# Altium PCB main.PcbDoc
Units mm, origin at the board's own origin, x right, y up, seen from the top; angles counter-clockwise.
Board outline 60.5 x 99 mm, 4 copper layers (Top Layer, Ground Layer, Power Layer, Bottom Layer), stack 1.591 mm thick; 49 components, 37 nets, 209 pads, 33 vias.
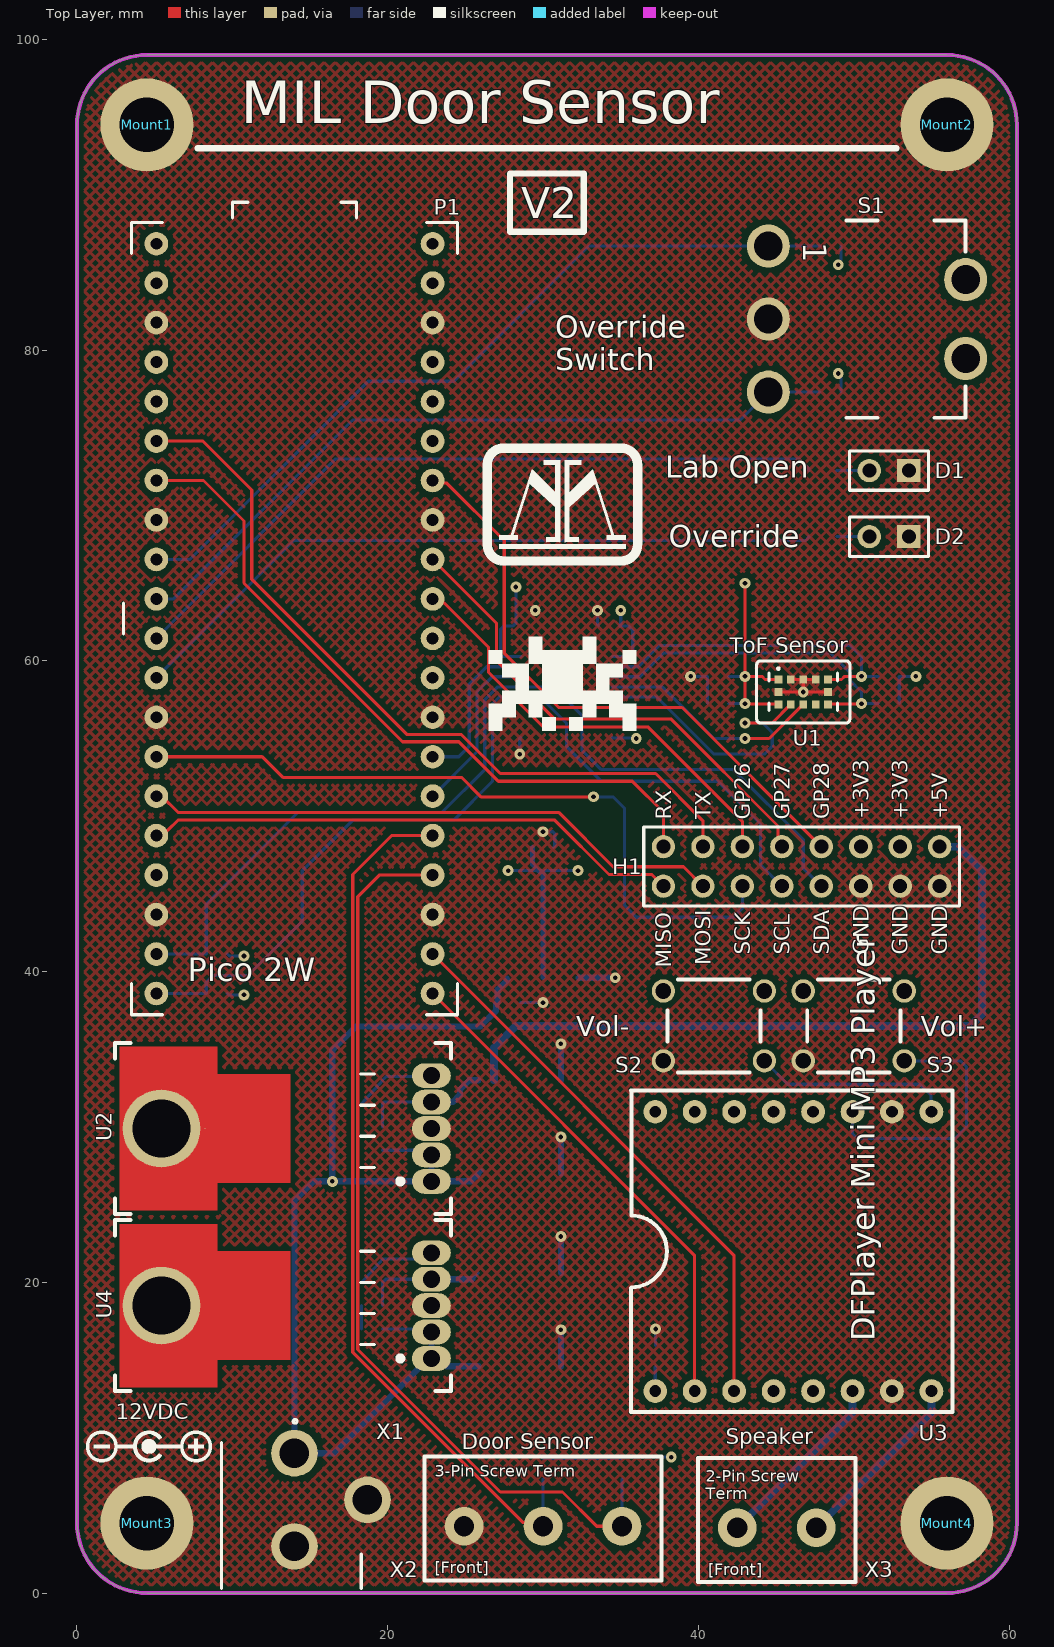
[diagram p0: Top Layer view]
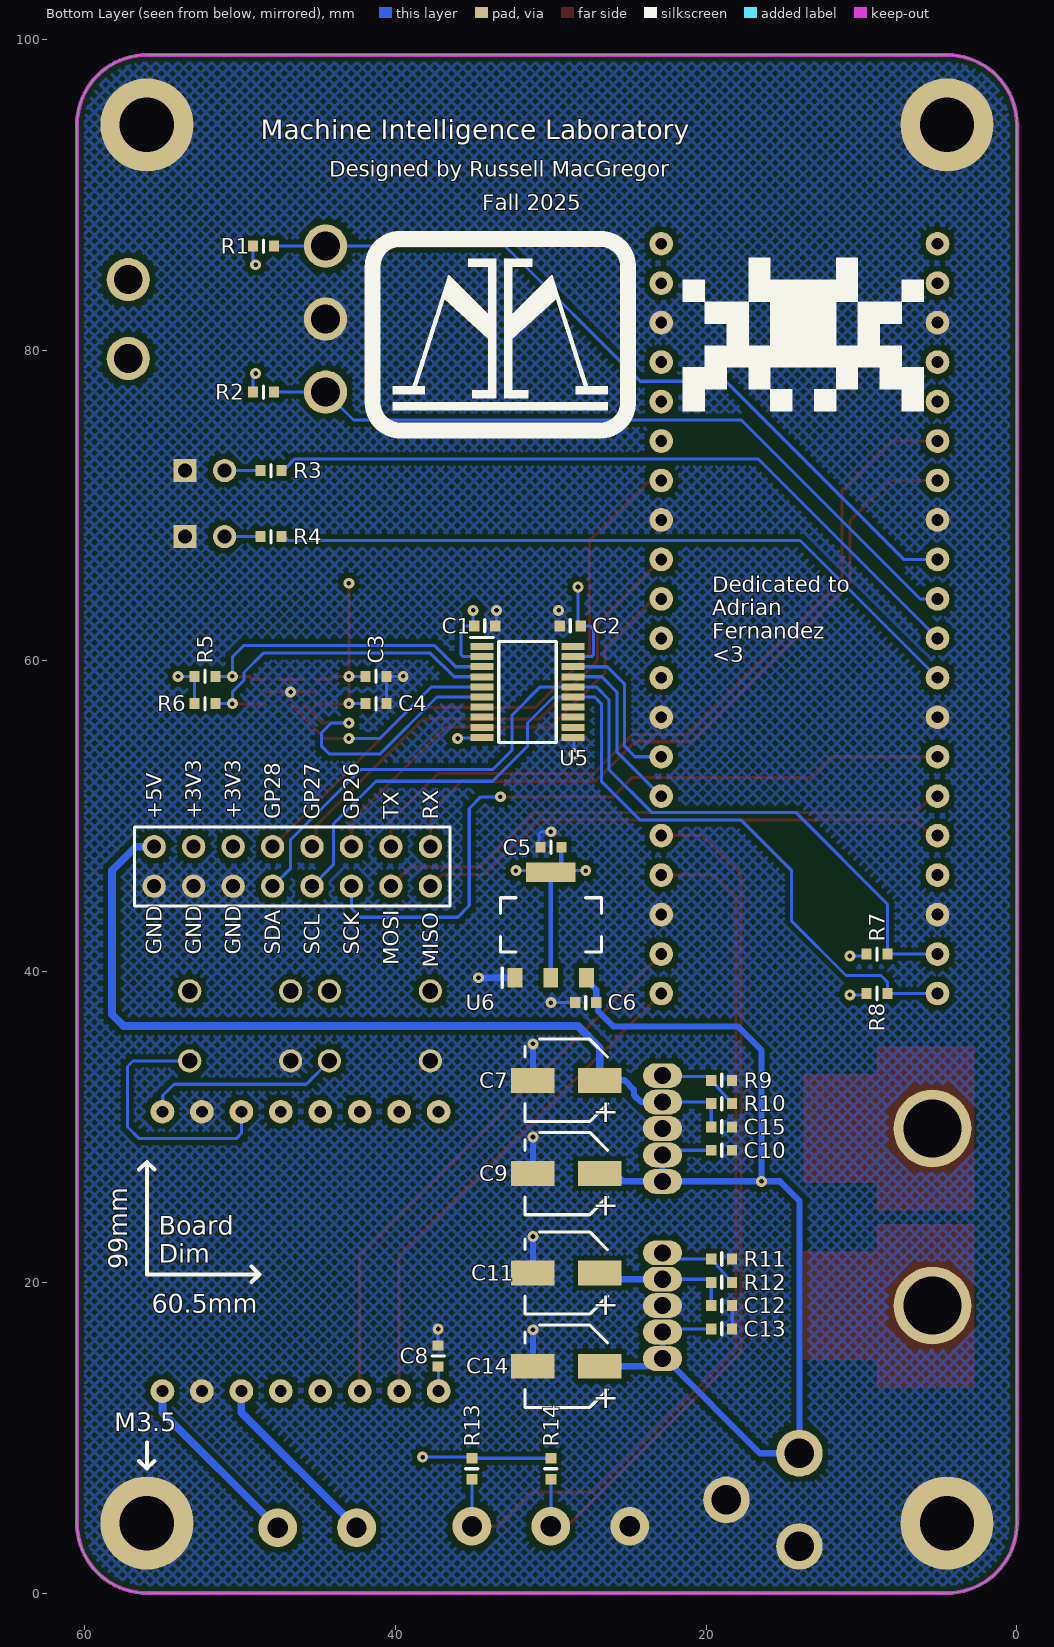
[diagram p1: Bottom Layer view, seen from below]
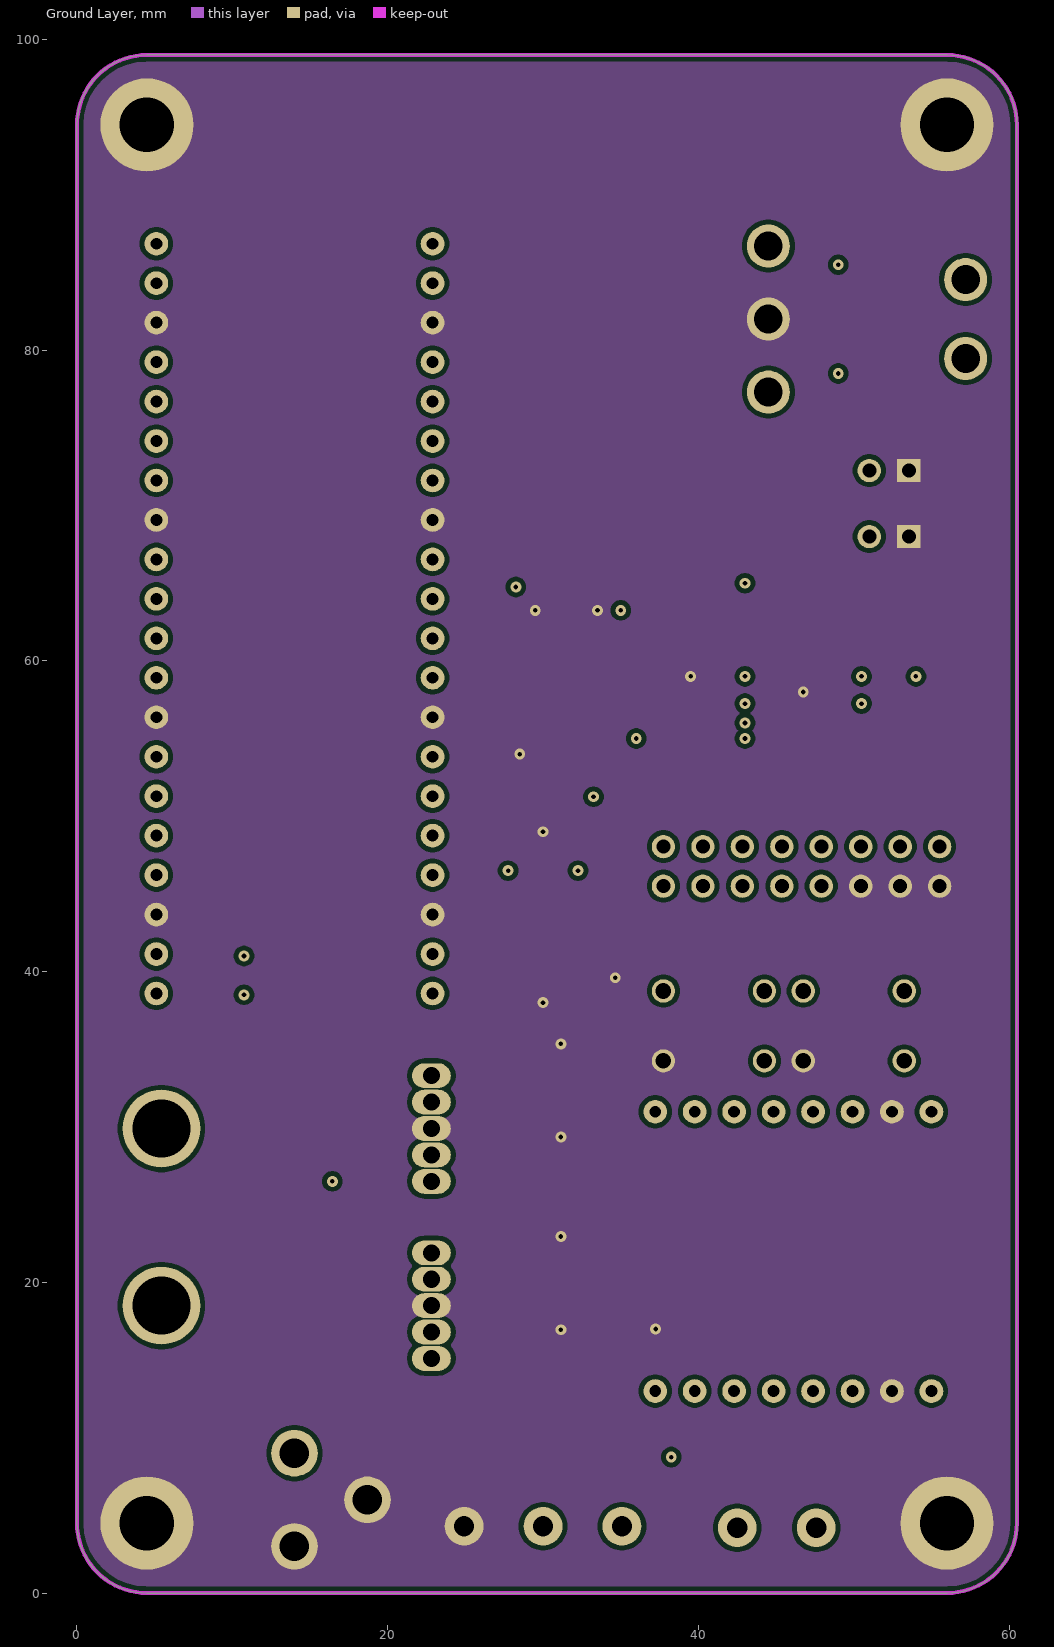
[diagram p2: Ground Layer]
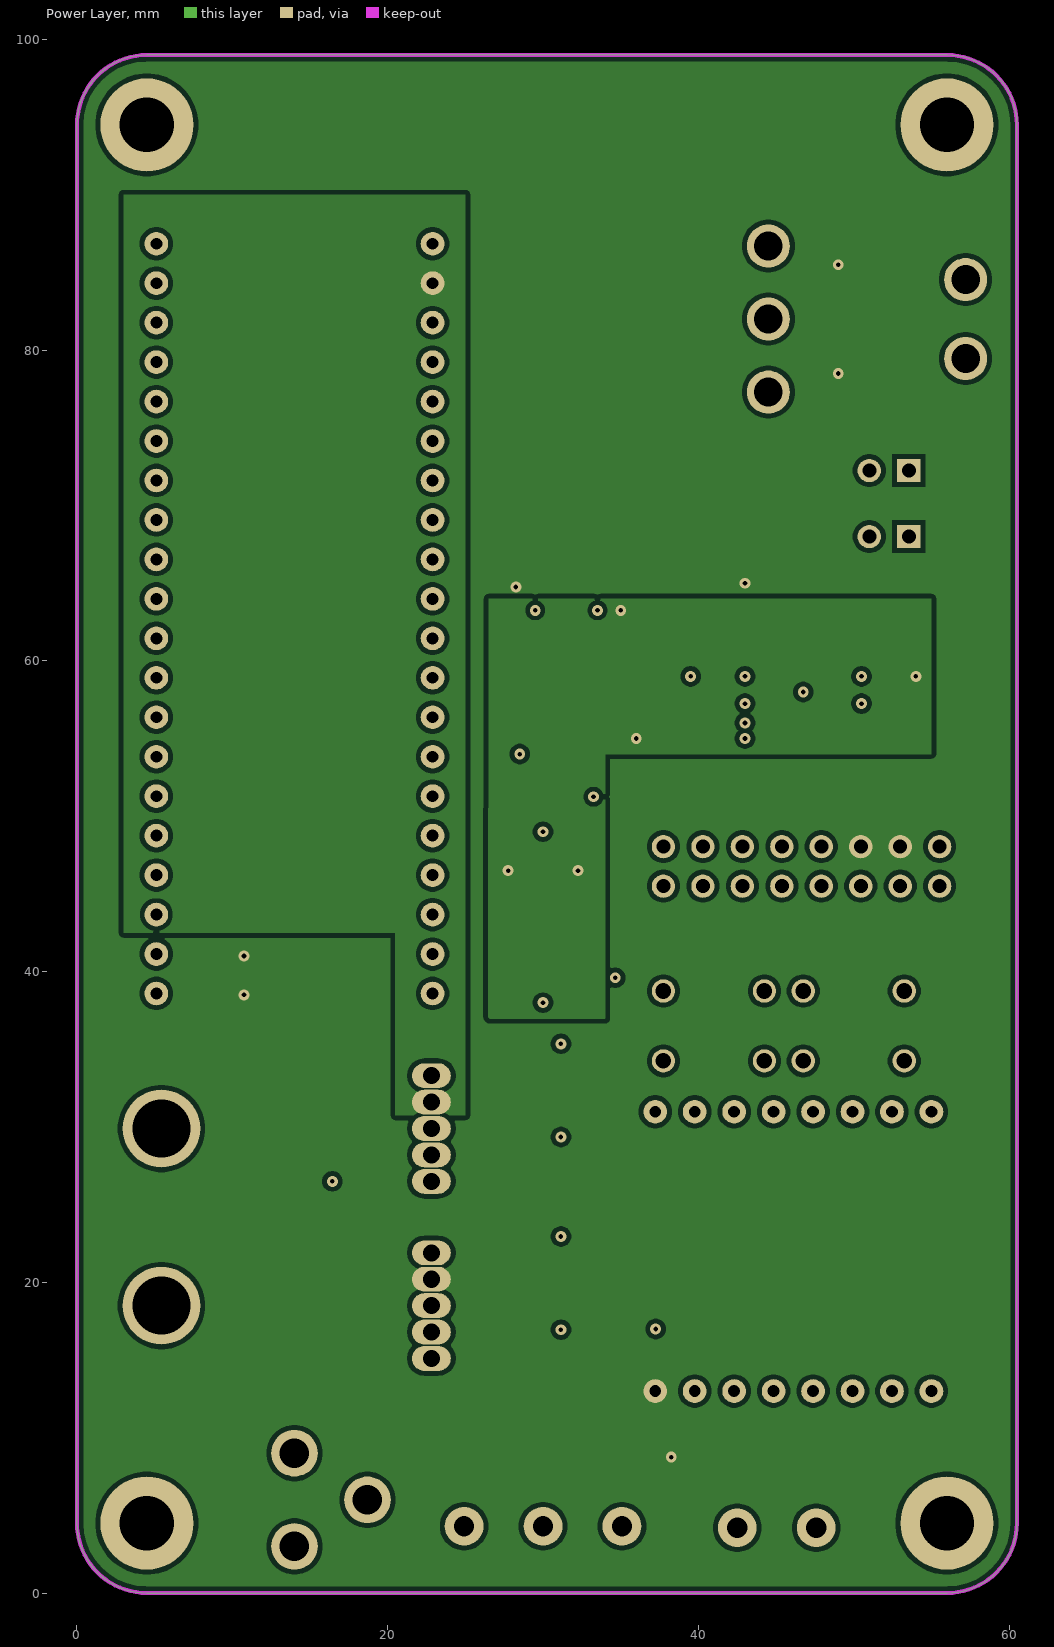
[diagram p3: Power Layer]

## Layer stack, top to bottom
Top Solder: solder mask 0.0102, Solder Resist, Dk 3.8
Top Layer: signal copper 0.035
Dielectric 2: prepreg 0.2104, 7628*1, Dk 4.4
Ground Layer: signal copper 0.0175
Dielectric 1: dielectric 1.065, FR-4, Dk 4.8
Power Layer: signal copper 0.0175
Dielectric 3: prepreg 0.2104, 7628*1, Dk 4.4
Bottom Layer: signal copper 0.035
Bottom Solder: solder mask 0.0102, Solder Resist, Dk 3.8

## Board outline
0,4.5 0,94.5 cw(c4.5,94.5) 4.5,99 56,99 cw(c56,94.5) 60.5,94.5 60.5,4.5 cw(c56,4.5) 56,0 4.5,0 cw(c4.5,4.5)

## Design rules (kind name [scope] priority, off if disabled: settings)
BoardOutlineClearance [All] p1: gap=0.2 ignorepadtopadclearanceinfootprint=FALSE
Clearance "inPolygon Clearance" [InPolygon] p1: gap=0.3 ignorepadtopadclearanceinfootprint=TRUE // this rule ensures that every net within a polygon of a different net has a set clearance from the poly
Clearance "Different Diff Pair" [All] p2: gap=0.2 ignorepadtopadclearanceinfootprint=TRUE
Clearance "Same Diff Pair" [All] p3: gap=0.1 ignorepadtopadclearanceinfootprint=TRUE
Clearance "Different Nets" [not InAnyDifferentialPair] p4: gap=0.3 ignorepadtopadclearanceinfootprint=TRUE except(0.1: Arc-SMDPad Arc-THPad Arc-Via Arc-Text Track-SMDPad Track-THPad Track-Via Track-Text SMDPad-Text THPad-Text Via-Text Fill-Text Poly-Text Region-Text Text-Text; 0.12: Arc-Arc Arc-Track Track-Track; 0.15: SMDPad-SMDPad SMDPad-THPad SMDPad-Via THPad-THPad THPad-Via Via-Via; 0.2: Arc-Hole Track-Hole SMDPad-Hole THPad-Hole Via-Hole Fill-Hole Poly-Hole Region-Hole Text-Hole)
Clearance "Same Net" [not InAnyDifferentialPair] p5: gap=0 ignorepadtopadclearanceinfootprint=TRUE except(0.1: THPad-Via; 0.18: Arc-Arc Arc-Track Track-Track)
ComponentClearance [All] p1: gap=0.102 collisioncheckmode=3 verticalgap=0.102 showdistances=TRUE
DiffPairsRouting "Ethernet Routing" [InDifferentialPairClass('Ethernet_Pairs')] p1: maxlimit=0.25 minlimit=0.2 mostfreqgap=0.25 toplayer_maxgap=0.2 toplayer_prefgap=0.2 toplayer_minwidth=0.25 toplayer_maxwidth=0.25 toplayer_prefwidth=0.25 midlayer1_mingap=0.25 midlayer1_minwidth=0.19 midlayer1_maxwidth=0.19 midlayer1_prefwidth=0.19 midlayer2_mingap=0.25 midlayer2_minwidth=0.19 midlayer2_maxwidth=0.19 midlayer2_prefwidth=0.19 bottomlayer_maxgap=0.2 bottomlayer_prefgap=0.2 bottomlayer_minwidth=0.25 bottomlayer_maxwidth=0.25 bottomlayer_prefwidth=0.25 impedanceprofiledriven=TRUE maxuncoupledlength=12.7
DiffPairsRouting "USB Routing" [InDifferentialPairClass('USB_Pairs')] p2: maxlimit=0.291 minlimit=0.127 mostfreqgap=0.291 toplayer_maxgap=0.127 toplayer_prefgap=0.127 toplayer_minwidth=0.23 toplayer_maxwidth=0.23 toplayer_prefwidth=0.23 midlayer1_mingap=0.291 midlayer1_minwidth=0.25 midlayer1_maxwidth=0.25 midlayer1_prefwidth=0.25 midlayer2_mingap=0.291 midlayer2_minwidth=0.25 midlayer2_maxwidth=0.25 midlayer2_prefwidth=0.25 bottomlayer_maxgap=0.127 bottomlayer_prefgap=0.127 bottomlayer_minwidth=0.23 bottomlayer_maxwidth=0.23 bottomlayer_prefwidth=0.23 impedanceprofiledriven=TRUE maxuncoupledlength=12.7
DiffPairsRouting "CAN Routing" [InDifferentialPairClass('CAN_Pairs')] p3: maxlimit=0.907 minlimit=0.5 mostfreqgap=0.907 toplayer_maxgap=0.5 toplayer_prefgap=0.5 toplayer_minwidth=0.201 toplayer_maxwidth=0.201 toplayer_prefwidth=0.201 midlayer1_mingap=0.907 midlayer1_minwidth=0.155 midlayer1_maxwidth=0.155 midlayer1_prefwidth=0.155 midlayer2_mingap=0.907 midlayer2_minwidth=0.155 midlayer2_maxwidth=0.155 midlayer2_prefwidth=0.155 bottomlayer_maxgap=0.5 bottomlayer_prefgap=0.5 bottomlayer_minwidth=0.201 bottomlayer_maxwidth=0.201 bottomlayer_prefwidth=0.201 impedanceprofiledriven=TRUE maxuncoupledlength=12.7
Height [All] p1: minheight=0 maxheight=1816.048 prefheight=12.7
HoleSize [All] p1: absolutevalues=TRUE maxlimit=6.3 minlimit=0.3 maxpercent=80.000 minpercent=20.000
HoleToHoleClearance [All] p1: gap=0.25 allowstackedmicrovias=FALSE
Length [All] p1: maxlimit=43.432 minlimit=0 usedelayunits=TRUE mindelay=0.000000 maxdelay=10000.000000
MatchedLengths "Diff Pair Matched Delays" [InDifferentialPairClass('Ethernet_Pairs') or InDifferentialPairClass('USB_Pairs') or InDifferentialPairClass('CAN_Pairs')] p1: tolerance=5 checknetsindiffpair=TRUE checkdiffpairvsdiffpair=FALSE checkxsignals=FALSE checkothers=FALSE usedelayunits=TRUE delaytolerance=100.000000
MinimumAnnularRing [All] p1: minimumring=0.2
MinimumSolderMaskSliver [All] p1: minsoldermaskwidth=0
PlaneClearance "Supply Net Clearance" [InNetClass('Supply_Nets')] p1: clearance=0.5
PlaneClearance "All Nets" [All] p2: clearance=0.3
PolygonConnect "Supply Nets" [InNetClass('Supply_Nets')] p1: connectstyle=Direct reliefconductorwidth=0.3 reliefentries=4 polygonreliefangle="90 Angle" airgapwidth=0.254
PolygonConnect General [All] p2: connectstyle=Relief reliefconductorwidth=0.254 reliefentries=4 polygonreliefangle="90 Angle" airgapwidth=0.254
RoutingVias [All] p1: holewidth=0.2 width=0.35 viastyle="Through Hole" minholewidth=0.15 minwidth=0.3 maxholewidth=6.3 maxwidth=6.55
SilkToSilkClearance [All] p1: silktosilkclearance=0
SilkToSolderMaskClearance [All] p1: minsilkscreentomaskgap=0 clearancetoexposedcopper=TRUE
SolderMaskExpansion [All] p1: expansion=0.075 istentingtop=FALSE
SupplyNets "Schematic Supply Nets_3" [InNet('+5V')] p1: voltage=0.000
SupplyNets "Schematic Supply Nets_2" [InNet('+1V8')] p2: voltage=0.000
SupplyNets "Schematic Supply Nets_1" [InNet('GND')] p3: voltage=0.000
SupplyNets "Schematic Supply Nets_7" [InNet('+3V3')] p4: voltage=0.000
SupplyNets "Schematic Supply Nets" [InNet('+12V')] p5: voltage=0.000
UnRoutedNet [All] p1: checkbadconnections=TRUE
Width [All] p1: maxlimit=100 minlimit=0.1 preferedwidth=0.3
Width "nRF Width" [InNetClass('nRF Signal')] p2: maxlimit=0.379 minlimit=0.263 preferedwidth=0.379 toplayer_minwidth=0.379 midlayer1_maxwidth=0.263 midlayer1_prefwidth=0.263 midlayer2_maxwidth=0.263 midlayer2_prefwidth=0.263 bottomlayer_minwidth=0.379 impedanceprofiledriven=TRUE minimp=50.000000 maximp=50.000000 favimp=50.000000 checkconnectedcopper=TRUE
20 further rules are at their usual default settings.

## Classes and differential pairs
net class Supply_Nets: +1V8 +3V3 +5V +12V GND NetR9_2 NetR11_2
component class Power: C5 C6 C7 C9 C10 C11 C12 C13 C14 C15 R9 R10 R11 R12 U2 U4 U6
component class "Pico 2W and Sensor": C1 C2 C3 C4 C8 D1 D2 P1 R1 R2 R3 R4 R5 R6 R7 R8 R13 R14 S1 S2 S3 U1 U3 U5
component class Connections: H1 Mount1 Mount2 Mount3 Mount4 X1 X2 X3

## Components (designator, comment, footprint, x,y, rotation, side; value= is the part's Value field where it differs from the comment)
C1 "[Cap] SMD Nonpolarized" "[Cap] SMD 0603" 34.25,62.25 r0 bottom
C2 "[Cap] SMD Nonpolarized" "[Cap] SMD 0603" 28.75,62.25 r180 bottom
C3 "SMD Nonpolarized" "[Cap] SMD 0603" 41.25,59 r0 bottom
C4 "[Cap] SMD Nonpolarized" "[Cap] SMD 0603" 41.25,57.25 r0 bottom
C5 "SMD Nonpolarized" "[Cap] SMD 0603" 30,48 r180 bottom
C6 "SMD Nonpolarized" "[Cap] SMD 0603" 27.75,38 r180 bottom
C7 "SMD Polarized" "[Cap] SMD Polarized, 5mm" 29,33 r0 bottom
C8 "[Cap] SMD Nonpolarized" "[Cap] SMD 0603" 37.25,15.25 r270 bottom
C9 "SMD Polarized" "[Cap] SMD Polarized, 5mm" 29,27 r0 bottom
C10 "[Cap] SMD Nonpolarized" "[Cap] SMD 0603" 19,28.5 r0 bottom
C11 "SMD Polarized" "[Cap] SMD Polarized, 5mm" 29,20.6 r0 bottom
C12 "[Cap] SMD Nonpolarized" "[Cap] SMD 0603" 19,18.5 r0 bottom
C13 "[Cap] SMD Nonpolarized" "[Cap] SMD 0603" 19,17 r0 bottom
C14 "SMD Polarized" "[Cap] SMD Polarized, 5mm" 29,14.6 r0 bottom
C15 "[Cap] SMD Nonpolarized" "[Cap] SMD 0603" 19,30 r0 bottom
D1 "LED" "[LED] Thru-Hole, 3mm, Green" 51,72.25 r0 top
D2 "LED" "[LED] Thru-Hole, 3mm, Red" 51,68 r0 top
H1 "2x8 Male Headers" "[Header] 2x8 Male Headers" 46.64,46.77 r0 top
Mount1 "M3 Mount Hole" "[Mount] M3 Mount Hole"#1 8.267,97.25 r0 top
Mount2 "M3 Mount Hole" "[Mount] M3 Mount Hole"#2 94.5,94.5 r90 top
Mount3 "M3 Mount Hole" "[Mount] M3 Mount Hole"#3 4.5,4.5 r90 top
Mount4 "M3 Mount Hole" "[Mount] M3 Mount Hole"#4 56.134,3.628 r90 top
P1 "Pico 2W" "[Device] RP Pico 2W" 14,88.22 r0 top
R1 "[Res] SMD Resistor" "[Res] SMD 0603" 48.5,86.7 r180 bottom
R2 "[Res] SMD Resistor" "[Res] SMD 0603" 48.5,77.3 r180 bottom
R3 "[Res] SMD Resistor" "[Res] SMD 0603" 48,72.25 r180 bottom
R4 "[Res] SMD Resistor" "[Res] SMD 0603" 48,68 r180 bottom
R5 "[Res] SMD Resistor" "[Res] SMD 0603" 52.25,59 r0 bottom
R6 "[Res] SMD Resistor" "[Res] SMD 0603" 52.25,57.25 r0 bottom
R7 "[Res] SMD Resistor" "[Res] SMD 0603" 9,41.13 r180 bottom
R8 "[Res] SMD Resistor" "[Res] SMD 0603" 9,38.59 r180 bottom
R9 "[Res] SMD Resistor" "[Res] SMD 0603" 19,33 r0 bottom
R10 "[Res] SMD Resistor" "[Res] SMD 0603" 19,31.5 r0 bottom
R11 "[Res] SMD Resistor" "[Res] SMD 0603" 19,21.5 r0 bottom
R12 "[Res] SMD Resistor" "[Res] SMD 0603" 19,20 r0 bottom
R13 "[Res] SMD Resistor" "[Res] SMD 0603" 35.08,8 r270 bottom
R14 "[Res] SMD Resistor" "[Res] SMD 0603" 30,8 r270 bottom
S1 "SPDT 90deg Thru-Hole" "[Switch] SPDT Toggle Switch 90deg" 44.5,82 r270 top
S2 "Standard pushbutton" "[Switch] Pushbutton" 41,36.5 r180 top
S3 "Standard pushbutton" "[Switch] Pushbutton" 50,36.5 r180 top
U1 "VL53L0X" "[Device] Time-of-Flight Sensor" 46.75,58 r0 top
U2 "5V" "[Reg] Variable Voltage Regulator" 13.25,29.9 r90 top
U3 "[Device] DFPlayer Mini MP3 Player" "[Device] DFPlayer Mini MP3 Player" 55,13 r90 top
U4 "3V3" "[Reg] Variable Voltage Regulator" 13.25,18.5 r90 top
U5 "[IC] Level Shifter (2)" "[IC] Level Shifter (2)" 31.5,58 r180 bottom
U6 "1.8V 1A Linear" "[Reg] 1.8V Regulator" 30,43 r90 bottom
X1 "DC Barrel Jack" "[Port] DC Barrel Jack" 14,9 r0 top
X2 "3pin Screw Terminal" "[Screw Terminal] 3pin 5mm" 30,4.3 r0 top
X3 "2pin Screw Terminal" "[Screw Terminal] 2pin 5mm" 45,4.2 r0 top

## Footprints (in the part's own frame and the unit in brackets; to place one, negate y for a bottom-side part, rotate by r counter-clockwise, add the part's x,y. Pads: shape width x height; smd on the part's side, far side on the other; paste and mask are expansions set on the pad)
"[Cap] SMD 0603" [mm]
  rect 0.65x0.7 smd: 1(-0.675,0) 2(0.675,0)
  silkscreen extent 0,-0.4 0,0.4, body extent -0.8,-0.45 0.8,0.45, height 0.8
"[Cap] SMD Polarized, 5mm" [mm]
  rect 2.8x1.6 smd: 1(-2.15,0) 2(2.15,0)
  silkscreen extent -2.65,-2.65 2.65,2.65, body extent -3,-2.65 3,2.65, height 5.8
"[Device] DFPlayer Mini MP3 Player" [mil]
  round 60 hole 30: 1(0,700) 2(0,600) 3(0,500) 4(0,400) 5(0,300) 6(0,200) 7(0,100) 8(0,0) 9(707.87,0) 10(707.87,100) 11(707.87,200) 12(707.87,300) 13(707.87,400) 14(707.87,500) 15(707.87,600) 16(707.87,700)
  silkscreen extent -54,-54 761,761, body extent -51,-164 768,760, height 236
"[Device] RP Pico 2W" [mil]
  round 60 hole 30: 1(-350,-53.94) 2(-350,-153.94) 3(-350,-253.94) 4(-350,-353.94) 5(-350,-453.94) 6(-350,-553.94) 7(-350,-653.94) 8(-350,-753.94) 9(-350,-853.94) 10(-350,-953.94) 11(-350,-1053.94) 12(-350,-1153.94) 13(-350,-1253.94) 14(-350,-1353.94) 15(-350,-1453.94) 16(-350,-1553.94) 17(-350,-1653.94) 18(-350,-1753.94) 19(-350,-1853.94) 20(-350,-1953.94) 21(350,-1953.94) 22(350,-1853.94) 23(350,-1753.94) 24(350,-1653.94) 25(350,-1553.94) 26(350,-1453.94) 27(350,-1353.94) 28(350,-1253.94) 29(350,-1153.94) 30(350,-1053.94) 31(350,-953.94) 32(350,-853.94) 33(350,-753.94) 34(350,-653.94) 35(350,-553.94) 36(350,-453.94) 37(350,-353.94) 38(350,-253.94) 39(350,-153.94) 40(350,-53.94)
  silkscreen extent -433,-2008 413,51, body extent -413,-2006 413,55, height 258
"[Device] Time-of-Flight Sensor" [mm] "VL53L0CXV0DH/1"
  rect 0.5x0.5 smd: 1(-1.6,0.8) 2(-0.8,0.8) 5(1.6,0.8) 7(1.6,-0.8) 8(0.8,-0.8) 9(0,-0.8) 10(-0.8,-0.8) 11(-1.6,-0.8) GND(-1.6,0) GND(0,0.8) GND(0.8,0.8) GND(1.6,0)
  silkscreen extent -2.2,-1.2 2.2,1.55, body extent -2.45,-1.25 2.45,1.25, height 1.6
"[Header] 2x8 Male Headers" [mm]
  round 1.5 hole 0.9: 1(-8.89,-1.27) 2(-8.89,1.27) 3(-6.35,-1.27) 4(-6.35,1.27) 5(-3.81,-1.27) 6(-3.81,1.27) 7(-1.27,-1.27) 8(-1.27,1.27) 9(1.27,-1.27) 10(1.27,1.27) 11(3.81,-1.27) 12(3.81,1.27) 13(6.35,-1.27) 14(6.35,1.27) 15(8.89,-1.27) 16(8.89,1.27)
  silkscreen extent -10.16,-2.54 10.16,2.54, body extent -10.16,-2.54 10.16,2.54, height 9.5
"[IC] Level Shifter (2)" [mm]
  rect 1.475x0.45 smd: 1(-2.938,2.925) 2(-2.938,2.275) 3(-2.938,1.625) 4(-2.938,0.975) 5(-2.938,0.325) 6(-2.938,-0.325) 7(-2.938,-0.975) 8(-2.938,-1.625) 9(-2.938,-2.275) 10(-2.938,-2.925) 11(2.938,-2.925) 12(2.938,-2.275) 13(2.938,-1.625) 14(2.938,-0.975) 15(2.938,-0.325) 16(2.938,0.325) 17(2.938,0.975) 18(2.938,1.625) 19(2.938,2.275) 20(2.938,2.925)
  silkscreen extent -3.67,-3.25 1.85,3.5, body extent -3.2,-3.25 3.2,3.25, height 1.13
"[LED] Thru-Hole, 3mm, Green" [mm]
  round 1.5 hole 0.9: 1(0,0)
  rect 1.5x1.5 hole 0.9: 2(2.54,0)
  silkscreen extent -1.27,-1.27 3.81,1.27, body extent -0.63,-1.92 2.95,1.92, height 5.6
"[LED] Thru-Hole, 3mm, Red" [mm]
  round 1.5 hole 0.9: 1(0,0)
  rect 1.5x1.5 hole 0.9: 2(2.54,0)
  silkscreen extent -1.27,-1.27 3.81,1.27, body extent -0.63,-1.92 2.95,1.92, height 5.6
"[Mount] M3 Mount Hole"#1 [mm] "Place at least 4.5mm from board edge. Plated."
  round 6 hole 3.5: 1(-3.767,-2.75)
"[Mount] M3 Mount Hole"#2 [mm] "Place at least 4.5mm from board edge. Plated."
  round 6 hole 3.5: 1(0,38.5)
"[Mount] M3 Mount Hole"#3 [mm] "Place at least 4.5mm from board edge. Plated."
  round 6 hole 3.5: 1(0,0)
"[Mount] M3 Mount Hole"#4 [mm] "Place at least 4.5mm from board edge. Plated."
  round 6 hole 3.5: 1(0.872,0.134)
"[Port] DC Barrel Jack" [mm]
  round 3 hole 1.9: 1(0,0) 2(0,-6) 3(4.7,-3)
  silkscreen extent -4.7,-8.7 4.3,2.17, body extent -4.42,-13.7 4.98,0.7, height 11.04
"[Reg] 1.8V Regulator" [mm] "NCP1117IST18T3G"
  rect 1.25x0.95 smd: 1(-3.4,2.3) 2(-3.4,0) 3(-3.4,-2.3)
  rect 1.25x3.2 smd: 2(3.4,0)
  silkscreen extent -4.03,-3.25 1.75,3.25, body extent -3.5,-3.25 3.5,3.25, height 1.8
"[Reg] Variable Voltage Regulator" [mm] "MIC29302WT"
  oval 1.6x2.5 hole 1.1: 1(-3.4,-9.563) 2(-1.7,-9.563) 3(0,-9.563) 4(1.7,-9.563) 5(3.4,-9.563)
  round 5 hole 3.75: X(0,7.813)
  round 0.025 smd: X(0,5.011)
  Top Layer region: -5.25,4.236 -3.5,4.236 -3.5,-0.489 3.5,-0.489 3.5,4.236 5.25,4.236 5.25,10.511 -5.25,10.511
  silkscreen extent -5.5,-10.81 5.5,10.81, body extent -5.08,-9.77 5.08,10.4, height 5.06
"[Res] SMD 0603" [mm]
  rect 0.65x0.7 smd: 1(-0.675,0) 2(0.675,0)
  silkscreen extent 0,-0.4 0,0.4, body extent -0.8,-0.45 0.8,0.45, height 0.8
"[Screw Terminal] 2pin 5mm" [mm]
  round 2.5 hole 1.3: 1(-2.5,0) 2(2.58,0)
  silkscreen extent -5.04,-3.5 5.12,4.5, body extent -5.45,-3.5 5.05,4.1, height 9.99
"[Screw Terminal] 3pin 5mm" [mm]
  round 2.5 hole 1.3: 1(-5.08,0) 2(0,0) 3(5.08,0)
  silkscreen extent -7.62,-3.5 7.62,4.5, body extent -7.63,-4 7.52,4, height 10.5
"[Switch] Pushbutton" [mm] "(Regular pushbutton)"
  round 1.5 hole 1: 1(-3.25,2.25) 2(3.25,2.25) 3(-3.25,-2.25) 4(3.25,-2.25)
  silkscreen extent -3,-3 3,3, body extent -3.85,-3 3.85,3, height 4.95
"[Switch] SPDT Toggle Switch 90deg" [mm] "100SP1T2B4M6QE"
  round 2.775 hole 1.85: 1(-4.7,0) 2(0,0) 3(4.7,0) S1(-2.54,12.7) S2(2.54,12.7)
  silkscreen extent -6.35,5.03 6.35,12.7, body extent -6.35,-0.64 6.35,26.51, height 6.86

## Part data
C1 C2 C4 C8 C10 C12 C13 C15: Capacitance=100nF, Size Package=0603, Supplier Part Number 1=311-1088-6-ND, Tolerance=5%, Voltage=6.3V, Supplier 1=DigiKey
C3: library part "[Cap] SMD Nonpolarized", Capacitance=4.7uF, Size Package=0603, Supplier Part Number 1=490-7203-1-ND, Tolerance=20%, Voltage=25V, Supplier 1=DigiKey
C5 C6: library part "[Cap] SMD Nonpolarized", Capacitance=10uF, Size Package=0603, Supplier Part Number 1=1276-1869-1-ND, Tolerance=20%, Voltage=25V, Supplier 1=DigiKey
C7 C9 C11 C14: library part "[Cap] SMD Polarized", Capacitance=47uF, Max Voltage=6.3V, Supplier Part Number 1=493-2152-1-ND, Tolerance=20%, Diameter=5mm, Supplier 1=DigiKey
D1: library part "[LED] Thru-Hole 3mm", "3mm LED", Color=Green, Supplier Part Number 1=732-5008-ND, Supplier 1=DigiKey
D2: library part "[LED] Thru-Hole 3mm", "3mm LED", Color=Red, Supplier Part Number 1=1080-1064-ND, Supplier 1=DigiKey
H1: library part "[Header] 2x8 Male", "2.54mm pitch"
Mount1 Mount2 Mount3 Mount4: library part "[Mount] M3 Mount Hole", "Place at least 4.5mm from board edge. Plated."
P1: library part "[Device] RP Pico 2W"
R1 R2 R3 R4 R5 R6 R7 R8 R13 R14: "Generic", Resistance=1k, Size Package=0603, Supplier Part Number 1=RMCF0603FT1K00DKR-ND, Tolerance=5%, Supplier 1=DigiKey
R9: "Generic", Resistance=3.1k, Size Package=0603, Supplier Part Number 1=311-3.16KHRCT-ND, Tolerance=5%, Supplier 1=DigiKey
R10: "Generic", Resistance=10k, Size Package=0603, Supplier Part Number 1=311-10.0KHRDKR-ND, Tolerance=5%, Supplier 1=DigiKey
R11: "Generic", Resistance=8.2k, Size Package=0603, Supplier Part Number 1=311-8.2KGRCT-ND, Tolerance=5%, Supplier 1=DigiKey
R12: "Generic", Resistance=14k, Size Package=0603, Supplier Part Number 1=RMCF0603FT14K0DKR-ND, Tolerance=5%, Supplier 1=DigiKey
S1: library part "[Switch] SPDT Toggle Switch 90deg", "100SP1T2B4M6QE"
S2 S3: library part "[Switch] Pushbutton", Supplier Part Number 1=450-1650-ND, Supplier 1=DigiKey
U1: library part "[Device] Time-of-Flight Sensor", "VL53L0CXV0DH/1", Supplier Part Number 1=497-17764-1-ND, Supplier 1=DigiKey
U2 U4: library part "[Reg] Variable Voltage Regulator", "MIC29302WT", Supplier Part Number 1=576-1124-ND, Supplier 1=DigiKey
U5: "TXS0108EQPWRQ1", Supplier Part Number 1=296-42401-1-ND, Supplier 1=DigiKey
U6: library part "[Reg] 1.8V Regulator", "NCP1117IST18T3G", Supplier Part Number 1=488-NCP1117IST18T3GCT-ND, Supplier 1=DigiKey
X1: library part "[Port] DC Barrel Jack", "Pin 1: Pin / Pin2/3: Barrel"
X2: library part "[Screw Terminal] 3pin", Supplier Part Number 1=102-6162-ND, Supplier 1=DigiKey
X3: library part "[Screw Terminal] 2pin", Supplier Part Number 1=102-6145-ND, Supplier 1=DigiKey
U3: ComponentLink1Description=Datasheet, ComponentLink1URL=https://picaxe.com/docs/spe033.pdf

## Via types
v1: diameter 0.7, hole 0.3, Top Layer to Bottom Layer, 33 vias

## Nets (pads, with @x,y where several pads share a name; then routed paths per layer and width w, separated by ;. In a path a pad name is that pad's centre, name@x,y a point inside that pad or via, vN(x,y) a via of type N, cw(c..) or ccw(c..) an arc to the next point about the centre after c; other vN are vias at no path point)
+1V8: C1.2 C5.2 R5.2 R6.2 U5.2 U5.10 U6.2 | length 22.6
  Bottom Layer w0.2: v1(27.75,46.5) U6.2@29.9,46.5 ; U6.2@30,46.4 30.1,46.5 v1(32.25,46.5) ; U5.10 34.475,55.037 35.962,55.037 v1(36,55) ; U5.2 35.664,60.275 35.775,60.386 35.775,61.95 35.475,62.25 C1.2 35,62.325 v1(35,63.25) ; R6.2 R5.2 v1(54,59)
  Bottom Layer w0.3: C5.2 29.325,46.875 29.8,46.4 30,46.4 U6.2@30,39.6
+3V3: C2.2 C3.2 C4.2 C8.2 C11.1 C12.2 H1.12 H1.14 R1.1 R2.1 R7.1 R8.1 R12.2 R13.1 R14.1 U1.1 U1.11 U3.1 U4.4 U5.19 | length 43.4
  Top Layer w0.2: v1(43,65) v1(43,59) ; U1.11 45.125,57.225 43.025,57.225 v1(43,57.25) v1(43,59) ; U1.1 44.29,58.8 44.09,59 v1(43,59)
  Bottom Layer w0.2: R8.1 9.765,38.5 v1(10.75,38.5) ; R7.1 9.805,41 v1(10.75,41) ; C12.2 R12.2 19.875,20.2 U4.4 ; 25.45,20.2 C11.1@25.85,20.6 ; v1(28.25,64.75) 28.25,62.425 C2.2 27.5,62.25 27.25,62 27.25,60.386 27.361,60.275 U5.19 ; R14.1 R13.1 35.155,8.75 v1(38.25,8.75) ; U3.1 37.22,14.545 C8.2 ; C4.2 v1(43,57.25) ; C3.2 v1(43,59) ; v1(49,78.5) 49,78.365 49.175,78.19 R2.1 ; v1(49,85.5) 49,85.635 49.175,85.81 R1.1
  Bottom Layer w0.4: U4.4 25.45,20.2
+5V: C7.1 C15.2 H1.16 P1.39 R10.2 U2.4 | length 55.5
  Bottom Layer w0.2: C15.2 R10.2 19.775,31.6 U2.4
  Bottom Layer w0.4: U2.4 24.192,31.6 24.65,32.058 24.65,32.4 25.25,33 C7.1@25.85,33
  Bottom Layer w0.5: C7.1 26.85,35.1 28.25,36.5 57.5,36.5 58.25,37.25 58.25,46.5 56.71,48.04 H1.16
+12V: C6.2 C9.1 C10.2 C13.2 C14.1 U2.1 U2.2 U4.1 U4.2 U6.3 X1.1 | length 76
  Bottom Layer w0.2: C13.2 22.612,17 U4.2 ; C10.2 21.851,28.5 21.893,28.458 22.554,28.458 U2.2
  Bottom Layer w0.3: C9.1@25.85,27 C9.1@26.039,27.189 ; U6.3@27.7,39.45 U6.3
  Bottom Layer w0.4: U4.2 U4.1 ; U2.2 U2.1 ; C14.1@25.85,14.6 23.799,14.6 23.299,15.1 U4.1 ; C9.1@25.85,27 25.35,26.5 U2.1 ; U6.3@27.7,39.45 27.075,38.825 C6.2 26.971,37.896 26.971,37.471 25.969,36.469 17.969,36.469 16.437,34.937 v1(16.437,26.5) ; v1(16.437,26.5) U2.1 ; v1(16.437,26.5) 15.25,26.5 14,25.25 X1.1 16.537,9 22.637,15.1 U4.1
DFPlayer_IO1: S2.1 U3.9 | length 12.7
  Bottom Layer w0.2: S2.1 45.75,32.75 54.25,32.75 54.978,32.022 54.978,31.002 U3.9
DFPlayer_IO2: S3.1 U3.11 | length 17.2
  Bottom Layer w0.2: U3.11 49.92,29.58 50.25,29.25 56.5,29.25 57.25,30 57.25,33.889 56.889,34.25 S3.1
GND: C1.1 C2.1 C3.1 C4.1 C5.1 C6.1 C7.2 C8.1 C9.2 C10.1 C11.2 C12.1 C13.1 C14.2 C15.1 D1.2 D2.2 H1.11 H1.13 H1.15 Mount1.1 Mount2.1 Mount3.1 Mount4.1 P1.3 P1.8 P1.13 P1.18 P1.23 P1.28 P1.33 P1.38 R9.1 R11.1 S1.2 S2.2 S3.2 U1.2 U1.GND U2.3 U3.7 U3.10 U4.3 U5.11 U6.1 X1.2 X1.3 X2.1 | length 28
  Top Layer w0.2: U1.GND@45.15,58 v1(46.75,58) ; U1.2 U1.GND@46.75,58.8 ; U1.GND@47.55,58.8 U1.GND@46.75,58.8 ; U1.GND@48.35,58 v1(46.75,58) ; v1(46.75,58) U1.GND@46.75,58.8
  Bottom Layer w0.2: C13.1 C12.1 ; v1(28.5,54) 28.5,55.013 U5.11 ; C6.1@28.55,38 v1(30,38) ; v1(30,49) 30.639,49 30.75,48.889 30.75,48.075 C5.1 ; v1(33.5,63.25) 33.5,62.325 C1.1 ; C8.1 v1(37.25,17) ; v1(39.5,59) C3.1 C4.1
  Bottom Layer w0.4: C14.2 v1(31.15,16.95) ; C11.2 v1(31.15,22.95) ; C9.2 v1(31.15,29.35) ; C7.2 v1(31.15,35.35) ; U6.1 v1(34.65,39.6)
  other v1: 29.5,63.25
GP26: H1.6 P1.31 | length 28.4
  Top Layer w0.2: P1.31 23.143,63.737 23.623,63.737 26.5,60.86 26.5,59.25 30,55.75 36.75,55.75 42.83,49.67 H1.6
GP27: H1.8 P1.32 | length 32.2
  Top Layer w0.2: P1.32 23.143,66.277 27,62.42 27,60 30.75,56.25 38.25,56.25 45.127,49.373 45.127,48.284 H1.8
GP28: H1.10 P1.34 | length 39
  Top Layer w0.2: P1.34 23.062,71.438 23.812,71.438 27.5,67.75 27.5,60.5 31,57 38.95,57 H1.10
"LED 1": P1.11 R3.2 | length 47.4
  Bottom Layer w0.2: P1.11 5.45,61.45 5.45,61.79 16.66,73 46.472,73 47.1,72.372 R3.2@47.1,72.25
"LED 2": P1.12 R4.2 | length 45.8
  Bottom Layer w0.2: P1.12 13.95,67.75 46.9,67.75 47.1,67.95 R4.2@47.1,68
MISO: H1.1 P1.16 | length 34.8
  Top Layer w0.2: P1.16 5.468,48.75 5.82,49.102 5.852,49.102 6.5,49.75 30.75,49.75 34.25,46.25 37,46.25 H1.1
MOSI: H1.3 P1.15 | length 37.6
  Top Layer w0.2: P1.15 5.46,51.29 6.5,50.25 31,50.25 34.5,46.75 39.04,46.75 H1.3
NetD1_1: D1.1 R3.1 | length 2.1
  Bottom Layer w0.2: R3.1@48.9,72.25 D1.1
NetD2_1: D2.1 R4.1 | length 2.1
  Bottom Layer w0.2: R4.1@48.9,68 D2.1
NetR9_2: R9.2 R10.1 U2.5 | length 5.3
  Bottom Layer w0.2: R10.1 18.55,31.75 19.45,32.75 R9.2 ; R9.2@19.675,33.025 19.9,33.25 22.763,33.25 U2.5
NetR11_2: R11.2 R12.1 U4.5 | length 5.3
  Bottom Layer w0.2: R12.1 18.55,20.25 19.45,21.25 R11.2 21.872,21.5 22.272,21.9 U4.5
"Normal Mode": P1.10 R2.2 S1.3 | length 48.2
  Bottom Layer w0.2: P1.10 6.24,63.99 17.75,75.5 42.7,75.5 S1.3 R2.2
"Override Mode": P1.9 R1.2 S1.1 | length 51.1
  Bottom Layer w0.2: P1.9 7.28,66.53 18.75,78 24.25,78 32.95,86.7 S1.1 R1.2
"Pico RX": P1.22 U3.3 | length 36.2
  Top Layer w0.2: P1.22 42.3,21.72 U3.3
"Pico TX": P1.21 U3.2 | length 32.6
  Top Layer w0.2: P1.21 39.76,21.72 U3.2
"Reed NC": P1.25 R14.2 X2.2 | length 56.8
  Top Layer w0.2: P1.25 20.25,48.75 17.75,46.25 17.75,15.5 28.72,4.53 29.77,4.53 X2.2
  Bottom Layer w0.2: X2.2 R14.2
"Reed NO": P1.24 R13.2 X2.3 | length 59.3
  Top Layer w0.2: P1.24 19.46,46.21 18.07,44.82 18.07,15.68 27.25,6.5 31.25,6.5 33.45,4.3 X2.3
  Bottom Layer w0.2: X2.3 R13.2
SCK: H1.5 P1.14 | length 47.4
  Top Layer w0.2: P1.14 11.92,53.83 13.25,52.5 24.75,52.5 26,51.25 v1(33.25,51.25)
  Bottom Layer w0.2: v1(33.25,51.25) 34.5,51.25 35.25,50.5 35.25,44.25 36,43.5 42.25,43.5 42.83,44.08 42.83,45.34 42.75,45.42 H1.5
"SCL (1V8)": U1.10 U5.6 | length 18.4
  Top Layer w0.2: v1(43,56) 44.75,56 U1.10
  Bottom Layer w0.2: U5.6 37.325,57.675 41,54 44.25,54 44.75,54.5 44.75,55.389 44.139,56 v1(43,56)
"SCL (3V3)": H1.7 P1.20 R8.2 U5.15 | length 60.9
  Bottom Layer w0.2: P1.20 R8.2 8.325,39.325 8.75,39.75 11,39.75 14.5,43.25 14.5,46.5 17.75,49.75 24.25,49.75 26.75,52.25 26.75,57.25 27.175,57.675 U5.15 29.825,57.675 31.5,56 31.5,54.5 33.75,52.25 41.25,52.25 44,49.5 44,46.87 H1.7
"SDA (1V8)": U1.9 U5.5 | length 14.6
  Top Layer w0.2: v1(43,55) 44.55,55 U1.9
  Bottom Layer w0.2: U5.5 37.675,58.325 41,55 v1(43,55)
"SDA (3V3)": H1.9 P1.19 R7.2 U5.16 | length 62.1
  Bottom Layer w0.2: P1.19 R7.2 8.325,44.345 14.23,50.25 23.5,50.25 26.25,53 26.25,57.5 27.075,58.325 U5.16 30.675,58.325 32.5,56.5 32.5,54.25 33.75,53 42.25,53 46.75,48.5 46.75,46.66 H1.9
SPK1: U3.6 X3.1 | length 11.9
  Bottom Layer w0.5: X3.1 49.92,11.62 U3.6
SPK2: U3.8 X3.2 | length 11.9
  Bottom Layer w0.5: X3.2 55,11.62 U3.8
"ToF GPIO1 (1V8)": R6.1 U1.7 U5.4 | length 22
  Top Layer w0.2: U1.7 48.375,57.225 50.475,57.225 v1(50.5,57.25)
  Bottom Layer w0.2: U5.4 36.225,58.975 37.75,60.5 48.5,60.5 49.75,59.25 49.75,58.75 50.5,58 v1(50.5,57.25) R6.1
"ToF GPIO1 (3V3)": P1.26 U5.17 | length 11.1
  Bottom Layer w0.2: P1.26 25.75,54.15 25.75,58 26.725,58.975 U5.17
"ToF XShut (1V8)": R5.1 U1.5 U5.3 | length 21.5
  Top Layer w0.2: U1.5 49.21,58.8 49.41,59 v1(50.5,59)
  Bottom Layer w0.2: U5.3 36.125,59.625 37.5,61 49.75,61 50.5,60.25 v1(50.5,59) R5.1
"ToF XShut (3V3)": P1.27 U5.18 | length 10.6
  Bottom Layer w0.2: P1.27 23.06,54 23.23,53.83 24.58,53.83 25.25,54.5 25.25,58.5 26.375,59.625 U5.18
"UART1 RX": H1.2 P1.7 | length 46
  Top Layer w0.2: P1.7 8.14,71.61 10.75,69 10.75,65 20.958,54.792 24.583,54.792 27.125,52.25 35.75,52.25 37.75,50.25 H1.2
"UART1 TX": H1.4 P1.6 | length 50.3
  Top Layer w0.2: P1.6 8.1,74.15 11.25,71 11.25,65.25 21.25,55.25 24.75,55.25 27.25,52.75 37.25,52.75 40.29,49.71 H1.4
pads on no net: P1.1 P1.2 P1.4 P1.5 P1.17 P1.29 P1.30 P1.35 P1.36 P1.37 P1.40 S1.S1 S1.S2 S2.3 S2.4 S3.3 S3.4 U1.8 U2.X U3.4 U3.5 U3.12 U3.13 U3.14 U3.15 U3.16 U4.X U5.1 U5.7 U5.8 U5.9 U5.12 U5.13 U5.14 U5.20

## Polygon pours and split planes (outlines as drawn)
+3V3 on Power Layer "+3V3 Power Poly" (solid, remove dead copper, pour order 2): 0,0 60.5,0 60.5,99 0,99
+5V on Power Layer "+5V Power Poly" (solid, remove dead copper, pour order 1): 25,30.75 25,90 3,90 3,42.5 20.5,42.5 20.5,30.75
+1V8 on Power Layer "+1V8 Power Poly" (solid, remove dead copper, pour order 0): 26.5,64 55,64 55,54 34,54 34,37 33.97,36.97 26.47,36.97
GND on Ground Layer "GND Poly" (solid, remove dead copper, pour order 3): 0,0 60.5,0 60.5,99 0,99
GND on Top Layer "Top GND Poly" (hatched 45Degree grid 0.508 track 0.203, remove dead copper, pour order 5): 0,99 60.5,99 60.5,0 0,0
GND on Bottom Layer "Bottom GND Poly" (hatched 45Degree grid 0.508 track 0.203, remove dead copper, pour order 4): 0,99 60.5,99 60.5,0 0,0

## Keep-outs
Keep-Out Layer:
  the board outline again, w0.254

## Silkscreen, mask and mechanical layers (free items; w line width, h text height)
Top Overlay:
  drawing of 34 lines, arcs and shapes, not listed
  text "MIL Door Sensor" at 10.548,94.6 h2.75
  text "V2" at 28.584,88.5 h2
  text "Override / Switch" at 30.797,78.701 h1.4
  text "Lab Open" at 37.87,71.783 h1.4
  text "Override" at 38.103,67.3 h1.4
  text "ToF Sensor" at 42.002,60.5 h1
  text "RX" at 38.25,49.79 h1 r90
  text "TX" at 40.79,49.79 h1 r90
  text "GP26" at 43.33,49.79 h1 r90
  text "GP27" at 45.87,49.79 h1 r90
  text "GP28" at 48.41,49.79 h1 r90
  text "+3V3" at 50.95,49.79 h1 r90
  text "+3V3" at 53.49,49.79 h1 r90
  text "+5V" at 56.03,49.79 h1 r90
  text "SCK" at 43.33,41.084 h1 r90
  text "SCL" at 45.87,41.084 h1 r90
  text "SDA" at 48.41,41.084 h1 r90
  text "GND" at 50.95,41.084 h1 r90
  text "GND" at 53.49,41.084 h1 r90
  text "GND" at 56.03,41.084 h1 r90
  text "MOSI" at 40.79,40.418 h1 r90
  text "MISO" at 38.25,40.251 h1 r90
  text "Vol-" at 32.151,35.85 h1.3
  text "Vol+" at 54.3,35.85 h1.3
  text "12VDC" at 2.501,11.172 h1
  text "Speaker" at 41.751,9.583 h1
  text "Door Sensor" at 24.752,9.25 h1
Bottom Overlay:
  drawing of 18 lines, arcs and shapes, not listed
  text "Machine Intelligence Laboratory" at 48.682,93.583 h1.25
  text "Designed by Russell MacGregor" at 44.245,91.167 h1
  text "Fall 2025" at 34.415,89 h1
  text "Dedicated to / Adrian / Fernandez / <3" at 19.623,59.921 h1
  text "RX" at 37.25,49.79 h1 r270
  text "TX" at 39.79,49.79 h1 r270
  text "GP26" at 42.33,49.79 h1 r270
  text "GP27" at 44.87,49.79 h1 r270
  text "GP28" at 47.41,49.79 h1 r270
  text "+3V3" at 49.95,49.79 h1 r270
  text "+3V3" at 52.49,49.79 h1 r270
  text "+5V" at 55.03,49.79 h1 r270
  text "SCK" at 42.33,41.084 h1 r270
  text "SCL" at 44.87,41.084 h1 r270
  text "SDA" at 47.41,41.084 h1 r270
  text "GND" at 49.95,41.084 h1 r270
  text "GND" at 52.49,41.084 h1 r270
  text "GND" at 55.03,41.084 h1 r270
  text "MOSI" at 39.79,40.418 h1 r270
  text "MISO" at 37.25,40.251 h1 r270
  text "Board" at 55.25,23.057 h1.2
  text "Dim" at 55.25,21.257 h1.2
  text "99mm" at 57.25,20.833 h1.2 r270
  text "60.5mm" at 55.674,18.057 h1.2
  text "M3.5" at 58.099,10.4 h1.2
Poly Planning:
  lines w0.1: 0,0 60.5,0 60.5,99 0,99 0,0
  lines w0.2: 3,42.5 20.5,42.5 20.5,30.75 25,30.75 25,90 3,90 3,42.5 ; 26.5,37 34,37 34,54 55,54 55,64 26.5,64 26.5,37

## Text inside footprints (layer, text, board x,y; h text height)
C7: Bottom Overlay "+" at 25.6,31.55 h1.5 r180
C9: Bottom Overlay "+" at 25.6,25.55 h1.5 r180
C11: Bottom Overlay "+" at 25.6,19.15 h1.5 r180
C14: Bottom Overlay "+" at 25.6,13.15 h1.5 r180
S1: Top Overlay "1" at 46.75,86.95 h1.5 r270
U3: Top Overlay "DFPlayer Mini MP3 Player" at 51.339,16.192 h1.5 r90
X2: Top Overlay "3-Pin Screw Term" at 23.038,7.481 h0.75; Top Overlay "[Front]" at 23.038,1.258 h0.75
X3: Top Overlay "[Front]" at 40.618,1.158 h0.75; Top Overlay "2-Pin Screw / Term" at 40.468,6.045 h0.75